# KiCad board ddr5-testboard.kicad_pcb (continued)
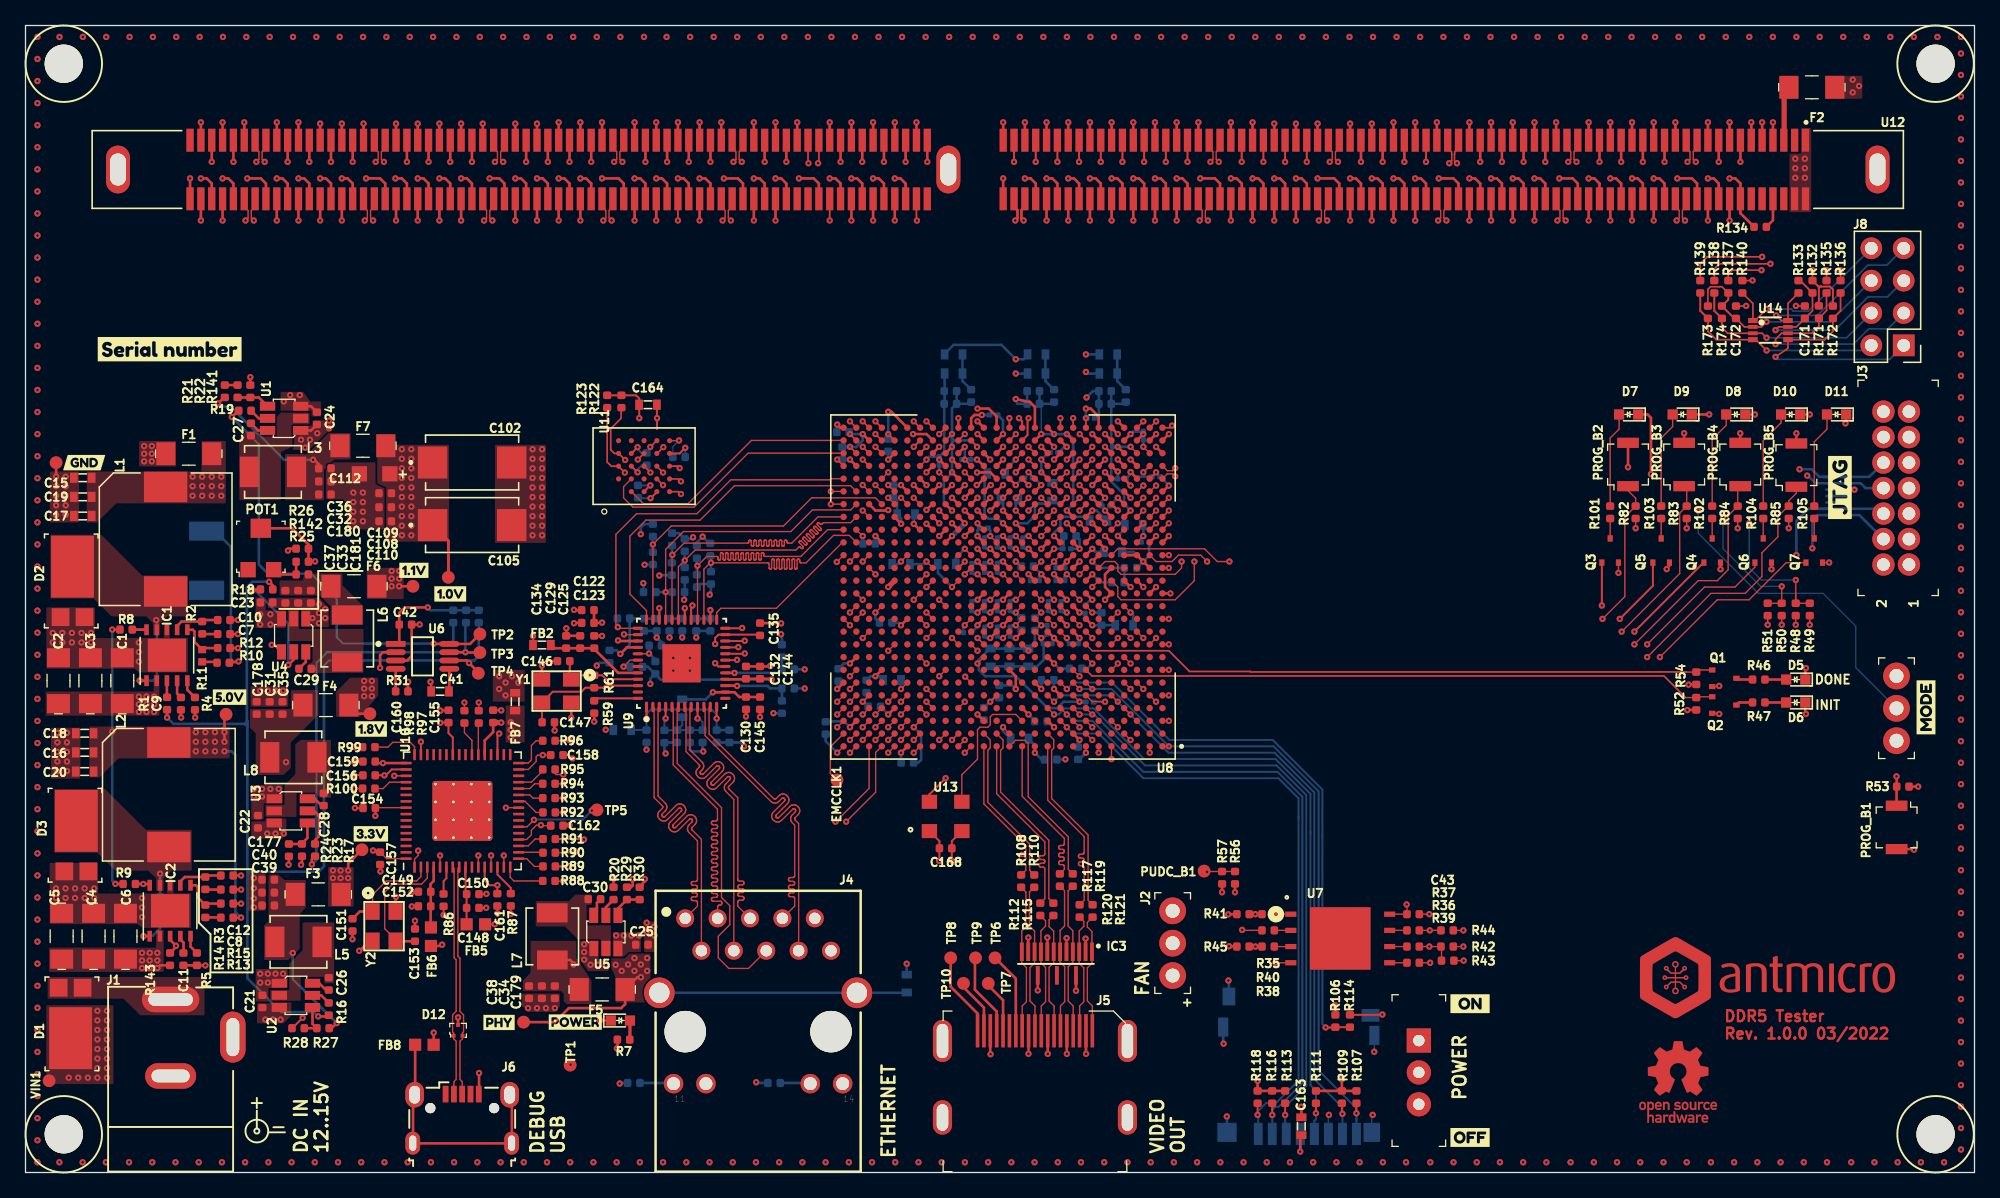
[diagram p0: board, top side]
## Routing (per net, layer and track width the routed paths; a pad name or vN(x,y) marks a point on that pad's centre or on a via; arc(x,y) is an arc through that point) (continued)
DQ17_B: length 73.2
  Top w0.2: U12.124 v3(29.9,79.3) ; U8.AD19 v3(71.64,56.94)
  In5.Cu w0.127: v3(29.9,79.3) 29.9,78.9 29.9,78.87 29.89,78.84 29.87,78.82 29.85,78.8 29.83,78.79 29.8,78.78 29.77,78.77 29.59,78.77 29.56,78.77 29.54,78.76 29.51,78.75 29.49,78.73 29.48,78.7 29.47,78.67 29.47,78.65 29.47,78.62 29.48,78.59 29.49,78.57 29.51,78.55 29.54,78.53 29.56,78.52 29.59,78.52 30.21,78.52 30.24,78.52 30.26,78.51 30.29,78.49 30.31,78.47 30.32,78.45 30.33,78.42 30.33,78.39 30.33,78.36 30.32,78.34 30.31,78.31 30.29,78.29 30.26,78.28 30.24,78.27 30.21,78.27 29.59,78.27 29.56,78.26 29.54,78.25 29.51,78.24 29.49,78.22 29.48,78.19 29.47,78.17 29.47,78.14 29.47,78.11 29.48,78.08 29.49,78.06 29.51,78.04 29.54,78.02 29.56,78.01 29.59,78.01 30.16,78.01 30.19,78.01 30.21,78 30.24,77.98 30.26,77.96 30.27,77.94 30.28,77.91 30.28,77.88 30.28,77.86 30.27,77.83 30.26,77.8 30.24,77.78 30.21,77.77 30.19,77.76 30.16,77.76 29.59,77.76 29.56,77.75 29.54,77.74 29.51,77.73 29.49,77.71 29.48,77.69 29.47,77.66 29.47,77.63 29.47,77.6 29.48,77.57 29.49,77.55 29.51,77.53 29.54,77.52 29.56,77.51 29.59,77.5 30.21,77.5 30.24,77.5 30.26,77.49 30.29,77.48 30.31,77.46 30.32,77.43 30.33,77.4 30.33,77.38 30.33,77.35 30.32,77.32 30.31,77.3 30.29,77.28 30.26,77.26 30.24,77.25 30.21,77.25 29.59,77.25 29.56,77.25 29.54,77.24 29.51,77.22 29.49,77.2 29.48,77.18 29.47,77.15 29.47,77.12 29.47,77.09 29.48,77.07 29.49,77.04 29.51,77.02 29.54,77.01 29.56,77 29.59,77 30.21,77 30.24,76.99 30.26,76.98 30.29,76.97 30.31,76.95 30.32,76.92 30.33,76.9 30.33,76.87 30.33,76.84 30.32,76.81 30.31,76.79 30.29,76.77 30.26,76.75 30.24,76.74 30.21,76.74 29.59,76.74 29.56,76.74 29.54,76.73 29.51,76.71 29.49,76.69 29.48,76.67 29.47,76.64 29.47,76.61 29.47,76.59 29.48,76.56 29.49,76.53 29.51,76.51 29.54,76.5 29.56,76.49 29.59,76.49 30.21,76.49 30.24,76.48 30.26,76.47 30.29,76.46 30.31,76.44 30.32,76.42 30.33,76.39 30.33,76.36 30.33,76.33 30.32,76.3 30.31,76.28 30.29,76.26 30.26,76.25 30.24,76.24 30.21,76.23 29.59,76.23 29.56,76.23 29.54,76.22 29.51,76.21 29.49,76.19 29.48,76.16 29.47,76.13 29.47,76.11 29.47,76.08 29.48,76.05 29.49,76.03 29.51,76.01 29.54,75.99 29.56,75.98 29.59,75.98 30.21,75.98 30.24,75.98 30.26,75.97 30.29,75.95 30.31,75.93 30.32,75.91 30.33,75.88 30.33,75.85 30.33,75.82 30.32,75.8 30.31,75.77 30.29,75.75 30.26,75.74 30.24,75.73 30.21,75.72 30.03,75.72 30,75.72 29.97,75.71 29.95,75.7 29.93,75.68 29.91,75.65 29.9,75.63 29.9,75.6 29.9,65.18 30.64,64.44 68.64,64.44 71.64,61.44 v3(71.64,56.94)
DQ18_A: length 66.6
  Top w0.2: U12.174 v1(114.9,74.7) ; U8.Y6 v1(83.64,52.94)
  In7.Cu w0.127: v1(83.64,52.94) U8.Y6 110.14,52.44 114.9,57.2 114.9,68.57 114.9,68.59 114.91,68.62 114.93,68.65 114.95,68.67 114.97,68.68 115,68.69 115.03,68.69 115.16,68.69 115.19,68.7 115.22,68.71 115.24,68.72 115.26,68.74 115.28,68.76 115.29,68.79 115.29,68.82 115.29,68.85 115.28,68.88 115.26,68.9 115.24,68.92 115.22,68.93 115.19,68.94 115.16,68.95 114.64,68.95 114.61,68.95 114.58,68.96 114.56,68.97 114.54,68.99 114.52,69.02 114.51,69.05 114.51,69.07 114.51,69.1 114.52,69.13 114.54,69.15 114.56,69.17 114.58,69.19 114.61,69.2 114.64,69.2 115.16,69.2 115.19,69.2 115.22,69.21 115.24,69.23 115.26,69.25 115.28,69.27 115.29,69.3 115.29,69.33 115.29,69.36 115.28,69.38 115.26,69.41 115.24,69.43 115.22,69.44 115.19,69.45 115.16,69.45 114.64,69.45 114.61,69.46 114.58,69.47 114.56,69.48 114.54,69.5 114.52,69.53 114.51,69.55 114.51,69.58 114.51,69.61 114.52,69.64 114.54,69.66 114.56,69.68 114.58,69.7 114.61,69.71 114.64,69.71 115.16,69.71 115.19,69.71 115.22,69.72 115.24,69.74 115.26,69.76 115.28,69.78 115.29,69.81 115.29,69.84 115.29,69.86 115.28,69.89 115.26,69.92 115.24,69.94 115.22,69.95 115.19,69.96 115.16,69.96 114.64,69.96 114.61,69.97 114.58,69.98 114.56,69.99 114.54,70.01 114.52,70.03 114.51,70.06 114.51,70.09 114.51,70.12 114.52,70.15 114.54,70.17 114.56,70.19 114.58,70.2 114.61,70.21 114.64,70.22 115.16,70.22 115.19,70.22 115.22,70.23 115.24,70.24 115.26,70.26 115.28,70.29 115.29,70.32 115.29,70.34 115.29,70.37 115.28,70.4 115.26,70.42 115.24,70.44 115.22,70.46 115.19,70.47 115.16,70.47 114.64,70.47 114.61,70.47 114.58,70.48 114.56,70.5 114.54,70.52 114.52,70.54 114.51,70.57 114.51,70.6 114.51,70.63 114.52,70.65 114.54,70.68 114.56,70.7 114.58,70.71 114.61,70.72 114.64,70.72 115.16,70.72 115.19,70.73 115.22,70.74 115.24,70.75 115.26,70.77 115.28,70.8 115.29,70.82 115.29,70.85 115.29,70.88 115.28,70.91 115.26,70.93 115.24,70.95 115.22,70.97 115.19,70.98 115.16,70.98 114.64,70.98 114.61,70.98 114.58,70.99 114.56,71.01 114.54,71.03 114.52,71.05 114.51,71.08 114.51,71.11 114.51,71.13 114.52,71.16 114.54,71.19 114.56,71.21 114.58,71.22 114.61,71.23 114.64,71.23 115.16,71.23 115.19,71.24 115.22,71.25 115.24,71.26 115.26,71.28 115.28,71.3 115.29,71.33 115.29,71.36 115.29,71.39 115.28,71.42 115.26,71.44 115.24,71.46 115.22,71.47 115.19,71.48 115.16,71.49 114.64,71.49 114.61,71.49 114.58,71.5 114.56,71.51 114.54,71.53 114.52,71.56 114.51,71.59 114.51,71.61 114.51,71.64 114.52,71.67 114.54,71.69 114.56,71.71 114.58,71.73 114.61,71.74 114.64,71.74 115.16,71.74 115.19,71.74 115.22,71.75 115.24,71.77 115.26,71.79 115.28,71.81 115.29,71.84 115.29,71.87 115.29,71.9 115.28,71.92 115.26,71.95 115.24,71.97 115.22,71.98 115.19,71.99 115.16,72 114.64,72 114.61,72 114.58,72.01 114.56,72.02 114.54,72.04 114.52,72.07 114.51,72.09 114.51,72.12 114.51,72.15 114.52,72.18 114.54,72.2 114.56,72.22 114.58,72.24 114.61,72.25 114.64,72.25 115.16,72.25 115.19,72.25 115.22,72.26 115.24,72.28 115.26,72.3 115.28,72.32 115.29,72.35 115.29,72.38 115.29,72.4 115.28,72.43 115.26,72.46 115.24,72.48 115.22,72.49 115.19,72.5 115.16,72.5 114.64,72.5 114.61,72.51 114.58,72.52 114.56,72.53 114.54,72.55 114.52,72.57 114.51,72.6 114.51,72.63 114.51,72.66 114.52,72.69 114.54,72.71 114.56,72.73 114.58,72.74 114.61,72.75 114.64,72.76 115.16,72.76 115.19,72.76 115.22,72.77 115.24,72.78 115.26,72.8 115.28,72.83 115.29,72.86 115.29,72.88 115.29,72.91 115.28,72.94 115.26,72.96 115.24,72.98 115.22,73 115.19,73.01 115.16,73.01 114.64,73.01 114.61,73.01 114.58,73.02 114.56,73.04 114.54,73.06 114.52,73.08 114.51,73.11 114.51,73.14 114.51,73.17 114.52,73.19 114.54,73.22 114.56,73.24 114.58,73.25 114.61,73.26 114.64,73.27 115.16,73.27 115.19,73.27 115.22,73.28 115.24,73.29 115.26,73.31 115.28,73.34 115.29,73.36 115.29,73.39 115.29,73.42 115.28,73.45 115.26,73.47 115.24,73.49 115.22,73.51 115.19,73.52 115.16,73.52 114.64,73.52 114.61,73.52 114.58,73.53 114.56,73.55 114.54,73.57 114.52,73.59 114.51,73.62 114.51,73.65 114.51,73.67 114.52,73.7 114.54,73.73 114.56,73.75 114.58,73.76 114.61,73.77 114.64,73.77 114.77,73.77 114.8,73.78 114.83,73.79 114.85,73.8 114.87,73.82 114.89,73.84 114.9,73.87 114.9,73.9 v1(114.9,74.7)
DQ18_B: length 73.2
  Top w0.2: U12.267 v3(30.75,74.7) ; U8.AC17 v3(72.64,55.94)
  In5.Cu w0.127: v3(30.75,74.7) 30.75,74.35 30.75,74.32 30.74,74.29 30.72,74.27 30.7,74.25 30.68,74.24 30.65,74.23 30.62,74.22 30.48,74.22 30.46,74.22 30.43,74.21 30.4,74.2 30.38,74.18 30.37,74.15 30.36,74.12 30.36,74.1 30.36,74.07 30.37,74.04 30.38,74.02 30.4,74 30.43,73.98 30.46,73.97 30.48,73.97 31.02,73.97 31.04,73.97 31.07,73.96 31.1,73.94 31.12,73.92 31.13,73.9 31.14,73.87 31.14,73.84 31.14,73.81 31.13,73.79 31.12,73.76 31.1,73.74 31.07,73.73 31.04,73.72 31.02,73.72 30.48,73.72 30.46,73.71 30.43,73.7 30.4,73.69 30.38,73.67 30.37,73.64 30.36,73.62 30.36,73.59 30.36,73.56 30.37,73.53 30.38,73.51 30.4,73.49 30.43,73.47 30.46,73.46 30.48,73.46 31.02,73.46 31.04,73.46 31.07,73.45 31.1,73.43 31.12,73.41 31.13,73.39 31.14,73.36 31.14,73.33 31.14,73.31 31.13,73.28 31.12,73.25 31.1,73.23 31.07,73.22 31.04,73.21 31.02,73.21 30.48,73.21 30.46,73.2 30.43,73.19 30.4,73.18 30.38,73.16 30.37,73.14 30.36,73.11 30.36,73.08 30.36,73.05 30.37,73.02 30.38,73 30.4,72.98 30.43,72.97 30.46,72.96 30.48,72.95 31.02,72.95 31.04,72.95 31.07,72.94 31.1,72.93 31.12,72.91 31.13,72.88 31.14,72.85 31.14,72.83 31.14,72.8 31.13,72.77 31.12,72.75 31.1,72.73 31.07,72.71 31.04,72.7 31.02,72.7 30.48,72.7 30.46,72.7 30.43,72.69 30.4,72.67 30.38,72.65 30.37,72.63 30.36,72.6 30.36,72.57 30.36,72.54 30.37,72.52 30.38,72.49 30.4,72.47 30.43,72.46 30.46,72.45 30.48,72.44 31.02,72.44 31.04,72.44 31.07,72.43 31.1,72.42 31.12,72.4 31.13,72.37 31.14,72.35 31.14,72.32 31.14,72.29 31.13,72.26 31.12,72.24 31.1,72.22 31.07,72.2 31.04,72.19 31.02,72.19 30.48,72.19 30.46,72.19 30.43,72.18 30.4,72.16 30.38,72.14 30.37,72.12 30.36,72.09 30.36,72.06 30.36,72.04 30.37,72.01 30.38,71.98 30.4,71.96 30.43,71.95 30.46,71.94 30.48,71.94 31.02,71.94 31.04,71.93 31.07,71.92 31.1,71.91 31.12,71.89 31.13,71.87 31.14,71.84 31.14,71.81 31.14,71.78 31.13,71.75 31.12,71.73 31.1,71.71 31.07,71.7 31.04,71.69 31.02,71.68 30.48,71.68 30.46,71.68 30.43,71.67 30.4,71.66 30.38,71.64 30.37,71.61 30.36,71.58 30.36,71.56 30.36,71.53 30.37,71.5 30.38,71.48 30.4,71.46 30.43,71.44 30.46,71.43 30.48,71.43 31.02,71.43 31.04,71.43 31.07,71.42 31.1,71.4 31.12,71.38 31.13,71.36 31.14,71.33 31.14,71.3 31.14,71.27 31.13,71.25 31.12,71.22 31.1,71.2 31.07,71.19 31.04,71.18 31.02,71.17 30.48,71.17 30.46,71.17 30.43,71.16 30.4,71.15 30.38,71.13 30.37,71.1 30.36,71.08 30.36,71.05 30.36,71.02 30.37,70.99 30.38,70.97 30.4,70.95 30.43,70.93 30.46,70.92 30.48,70.92 31.02,70.92 31.04,70.92 31.07,70.91 31.1,70.89 31.12,70.87 31.13,70.85 31.14,70.82 31.14,70.79 31.14,70.77 31.13,70.74 31.12,70.71 31.1,70.69 31.07,70.68 31.04,70.67 31.02,70.67 30.48,70.67 30.46,70.66 30.43,70.65 30.4,70.64 30.38,70.62 30.37,70.6 30.36,70.57 30.36,70.54 30.36,70.51 30.37,70.48 30.38,70.46 30.4,70.44 30.43,70.43 30.46,70.42 30.48,70.41 31.02,70.41 31.04,70.41 31.07,70.4 31.1,70.39 31.12,70.37 31.13,70.34 31.14,70.31 31.14,70.29 31.14,70.26 31.13,70.23 31.12,70.21 31.1,70.19 31.07,70.17 31.04,70.16 31.02,70.16 30.48,70.16 30.46,70.16 30.43,70.15 30.4,70.13 30.38,70.11 30.37,70.09 30.36,70.06 30.36,70.03 30.36,70 30.37,69.98 30.38,69.95 30.4,69.93 30.43,69.92 30.46,69.91 30.48,69.91 31.02,69.91 31.04,69.9 31.07,69.89 31.1,69.88 31.12,69.86 31.13,69.83 31.14,69.81 31.14,69.78 31.14,69.75 31.13,69.72 31.12,69.7 31.1,69.68 31.07,69.66 31.04,69.65 31.02,69.65 30.48,69.65 30.46,69.65 30.43,69.64 30.4,69.62 30.38,69.6 30.37,69.58 30.36,69.55 30.36,69.52 30.36,69.5 30.37,69.47 30.38,69.44 30.4,69.42 30.43,69.41 30.46,69.4 30.48,69.4 30.62,69.4 30.65,69.39 30.68,69.38 30.7,69.37 30.72,69.35 30.74,69.33 30.75,69.3 30.75,69.27 30.75,65.58 31.39,64.94 68.89,64.94 72.14,61.69 72.14,56.44 v3(72.64,55.94)
DQ19_A: length 66.6
  Top w0.2: U12.176 v1(113.2,74.7) ; v1(86.64,53.9) U8.AB4
  In7.Cu w0.127: v1(113.2,74.7) 113.2,73.7 113.2,73.67 113.19,73.64 113.17,73.62 113.15,73.6 113.13,73.59 113.1,73.58 113.07,73.57 112.93,73.57 112.9,73.57 112.87,73.56 112.85,73.55 112.83,73.53 112.81,73.5 112.8,73.47 112.8,73.45 112.8,73.42 112.81,73.39 112.83,73.37 112.85,73.35 112.87,73.33 112.9,73.32 112.93,73.32 113.47,73.32 113.5,73.32 113.53,73.31 113.55,73.29 113.57,73.27 113.59,73.25 113.6,73.22 113.6,73.19 113.6,73.16 113.59,73.14 113.57,73.11 113.55,73.09 113.53,73.08 113.5,73.07 113.47,73.06 112.93,73.06 112.9,73.06 112.87,73.05 112.85,73.04 112.83,73.02 112.81,72.99 112.8,72.97 112.8,72.94 112.8,72.91 112.81,72.88 112.83,72.86 112.85,72.84 112.87,72.82 112.9,72.81 112.93,72.81 113.47,72.81 113.5,72.81 113.53,72.8 113.55,72.78 113.57,72.76 113.59,72.74 113.6,72.71 113.6,72.68 113.6,72.66 113.59,72.63 113.57,72.6 113.55,72.58 113.53,72.57 113.5,72.56 113.47,72.56 112.93,72.56 112.9,72.55 112.87,72.54 112.85,72.53 112.83,72.51 112.81,72.49 112.8,72.46 112.8,72.43 112.8,72.4 112.81,72.37 112.83,72.35 112.85,72.33 112.87,72.32 112.9,72.31 112.93,72.3 113.47,72.3 113.5,72.3 113.53,72.29 113.55,72.28 113.57,72.26 113.59,72.23 113.6,72.2 113.6,72.18 113.6,72.15 113.59,72.12 113.57,72.1 113.55,72.08 113.53,72.06 113.5,72.05 113.47,72.05 112.93,72.05 112.9,72.05 112.87,72.04 112.85,72.02 112.83,72 112.81,71.98 112.8,71.95 112.8,71.92 112.8,71.89 112.81,71.87 112.83,71.84 112.85,71.82 112.87,71.81 112.9,71.8 112.93,71.8 113.47,71.8 113.5,71.79 113.53,71.78 113.55,71.77 113.57,71.75 113.59,71.72 113.6,71.7 113.6,71.67 113.6,71.64 113.59,71.61 113.57,71.59 113.55,71.57 113.53,71.55 113.5,71.54 113.47,71.54 112.93,71.54 112.9,71.54 112.87,71.53 112.85,71.51 112.83,71.49 112.81,71.47 112.8,71.44 112.8,71.41 112.8,71.39 112.81,71.36 112.83,71.33 112.85,71.31 112.87,71.3 112.9,71.29 112.93,71.29 113.47,71.29 113.5,71.28 113.53,71.27 113.55,71.26 113.57,71.24 113.59,71.22 113.6,71.19 113.6,71.16 113.6,71.13 113.59,71.1 113.57,71.08 113.55,71.06 113.53,71.05 113.5,71.04 113.47,71.03 112.93,71.03 112.9,71.03 112.87,71.02 112.85,71.01 112.83,70.99 112.81,70.96 112.8,70.93 112.8,70.91 112.8,70.88 112.81,70.85 112.83,70.83 112.85,70.81 112.87,70.79 112.9,70.78 112.93,70.78 113.47,70.78 113.5,70.78 113.53,70.77 113.55,70.75 113.57,70.73 113.59,70.71 113.6,70.68 113.6,70.65 113.6,70.62 113.59,70.6 113.57,70.57 113.55,70.55 113.53,70.54 113.5,70.53 113.47,70.53 112.93,70.53 112.9,70.52 112.87,70.51 112.85,70.5 112.83,70.48 112.81,70.45 112.8,70.43 112.8,70.4 112.8,70.37 112.81,70.34 112.83,70.32 112.85,70.3 112.87,70.28 112.9,70.27 112.93,70.27 113.47,70.27 113.5,70.27 113.53,70.26 113.55,70.24 113.57,70.22 113.59,70.2 113.6,70.17 113.6,70.14 113.6,70.12 113.59,70.09 113.57,70.06 113.55,70.04 113.53,70.03 113.5,70.02 113.47,70.02 112.93,70.02 112.9,70.01 112.87,70 112.85,69.99 112.83,69.97 112.81,69.95 112.8,69.92 112.8,69.89 112.8,69.86 112.81,69.83 112.83,69.81 112.85,69.79 112.87,69.78 112.9,69.77 112.93,69.76 113.47,69.76 113.5,69.76 113.53,69.75 113.55,69.74 113.57,69.72 113.59,69.69 113.6,69.66 113.6,69.64 113.6,69.61 113.59,69.58 113.57,69.56 113.55,69.54 113.53,69.52 113.5,69.51 113.47,69.51 112.93,69.51 112.9,69.51 112.87,69.5 112.85,69.48 112.83,69.46 112.81,69.44 112.8,69.41 112.8,69.38 112.8,69.35 112.81,69.33 112.83,69.3 112.85,69.28 112.87,69.27 112.9,69.26 112.93,69.25 113.47,69.25 113.5,69.25 113.53,69.24 113.55,69.23 113.57,69.21 113.59,69.18 113.6,69.16 113.6,69.13 113.6,69.1 113.59,69.07 113.57,69.05 113.55,69.03 113.53,69.01 113.5,69 113.47,69 112.93,69 112.9,69 112.87,68.99 112.85,68.97 112.83,68.95 112.81,68.93 112.8,68.9 112.8,68.87 112.8,68.85 112.81,68.82 112.83,68.79 112.85,68.77 112.87,68.76 112.9,68.75 112.93,68.75 113.47,68.75 113.5,68.74 113.53,68.73 113.55,68.72 113.57,68.7 113.59,68.68 113.6,68.65 113.6,68.62 113.6,68.59 113.59,68.56 113.57,68.54 113.55,68.52 113.53,68.51 113.5,68.5 113.47,68.49 112.93,68.49 112.9,68.49 112.87,68.48 112.85,68.47 112.83,68.45 112.81,68.42 112.8,68.39 112.8,68.37 112.8,68.34 112.81,68.31 112.83,68.29 112.85,68.27 112.87,68.25 112.9,68.24 112.93,68.24 113.47,68.24 113.5,68.24 113.53,68.23 113.55,68.21 113.57,68.19 113.59,68.17 113.6,68.14 113.6,68.11 113.6,68.08 113.59,68.06 113.57,68.03 113.55,68.01 113.53,68 113.5,67.99 113.47,67.98 112.93,67.98 112.9,67.98 112.87,67.97 112.85,67.96 112.83,67.94 112.81,67.91 112.8,67.89 112.8,67.86 112.8,67.83 112.81,67.8 112.83,67.78 112.85,67.76 112.87,67.74 112.9,67.73 112.93,67.73 113.47,67.73 113.5,67.73 113.53,67.72 113.55,67.7 113.57,67.68 113.59,67.66 113.6,67.63 113.6,67.6 113.6,67.58 113.59,67.55 113.57,67.52 113.55,67.5 113.53,67.49 113.5,67.48 113.47,67.48 112.93,67.48 112.9,67.47 112.87,67.46 112.85,67.45 112.83,67.43 112.81,67.41 112.8,67.38 112.8,67.35 112.8,67.32 112.81,67.29 112.83,67.27 112.85,67.25 112.87,67.24 112.9,67.23 112.93,67.22 113.47,67.22 113.5,67.22 113.53,67.21 113.55,67.2 113.57,67.18 113.59,67.15 113.6,67.12 113.6,67.1 113.6,67.07 113.59,67.04 113.57,67.02 113.55,67 113.53,66.98 113.5,66.97 113.47,66.97 112.93,66.97 112.9,66.97 112.87,66.96 112.85,66.94 112.83,66.92 112.81,66.9 112.8,66.87 112.8,66.84 112.8,66.81 112.81,66.79 112.83,66.76 112.85,66.74 112.87,66.73 112.9,66.72 112.93,66.72 113.07,66.72 113.1,66.71 113.13,66.7 113.15,66.69 113.17,66.67 113.19,66.64 113.2,66.62 113.2,66.59 113.2,57.5 109.14,53.44 87.1,53.44 v1(86.64,53.9)
DQ19_B: length 73.2
  Top w0.2: U12.269 v3(29.05,74.7) ; U8.AC18 v3(71.64,55.94)
  In5.Cu w0.127: v3(71.64,55.94) 71.14,56.44 71.14,61.19 68.39,63.94 29.89,63.94 29.05,64.78 29.05,69.12 29.05,69.15 29.06,69.18 29.08,69.2 29.1,69.22 29.12,69.24 29.15,69.25 29.18,69.25 29.31,69.25 29.34,69.25 29.37,69.26 29.39,69.28 29.41,69.3 29.42,69.32 29.43,69.35 29.44,69.38 29.43,69.41 29.42,69.43 29.41,69.46 29.39,69.48 29.37,69.49 29.34,69.5 29.31,69.5 28.79,69.5 28.76,69.51 28.73,69.52 28.71,69.53 28.69,69.55 28.68,69.58 28.67,69.6 28.66,69.63 28.67,69.66 28.68,69.69 28.69,69.71 28.71,69.73 28.73,69.75 28.76,69.76 28.79,69.76 29.31,69.76 29.34,69.76 29.37,69.77 29.39,69.79 29.41,69.81 29.42,69.83 29.43,69.86 29.44,69.89 29.43,69.91 29.42,69.94 29.41,69.97 29.39,69.99 29.37,70 29.34,70.01 29.31,70.01 28.79,70.01 28.76,70.02 28.73,70.03 28.71,70.04 28.69,70.06 28.68,70.08 28.67,70.11 28.66,70.14 28.67,70.17 28.68,70.2 28.69,70.22 28.71,70.24 28.73,70.25 28.76,70.26 28.79,70.27 29.31,70.27 29.34,70.27 29.37,70.28 29.39,70.29 29.41,70.31 29.42,70.34 29.43,70.37 29.44,70.39 29.43,70.42 29.42,70.45 29.41,70.47 29.39,70.49 29.37,70.51 29.34,70.52 29.31,70.52 28.79,70.52 28.76,70.52 28.73,70.53 28.71,70.55 28.69,70.57 28.68,70.59 28.67,70.62 28.66,70.65 28.67,70.68 28.68,70.7 28.69,70.73 28.71,70.75 28.73,70.76 28.76,70.77 28.79,70.78 29.31,70.78 29.34,70.78 29.37,70.79 29.39,70.8 29.41,70.82 29.42,70.85 29.43,70.87 29.44,70.9 29.43,70.93 29.42,70.96 29.41,70.98 29.39,71 29.37,71.02 29.34,71.03 29.31,71.03 28.79,71.03 28.76,71.03 28.73,71.04 28.71,71.06 28.69,71.08 28.68,71.1 28.67,71.13 28.66,71.16 28.67,71.18 28.68,71.21 28.69,71.24 28.71,71.26 28.73,71.27 28.76,71.28 28.79,71.28 29.31,71.28 29.34,71.29 29.37,71.3 29.39,71.31 29.41,71.33 29.42,71.35 29.43,71.38 29.44,71.41 29.43,71.44 29.42,71.47 29.41,71.49 29.39,71.51 29.37,71.52 29.34,71.53 29.31,71.54 28.79,71.54 28.76,71.54 28.73,71.55 28.71,71.56 28.69,71.58 28.68,71.61 28.67,71.64 28.66,71.66 28.67,71.69 28.68,71.72 28.69,71.74 28.71,71.76 28.73,71.78 28.76,71.79 28.79,71.79 29.31,71.79 29.34,71.79 29.37,71.8 29.39,71.82 29.41,71.84 29.42,71.86 29.43,71.89 29.44,71.92 29.43,71.95 29.42,71.97 29.41,72 29.39,72.02 29.37,72.03 29.34,72.04 29.31,72.05 28.79,72.05 28.76,72.05 28.73,72.06 28.71,72.07 28.69,72.09 28.68,72.12 28.67,72.14 28.66,72.17 28.67,72.2 28.68,72.23 28.69,72.25 28.71,72.27 28.73,72.29 28.76,72.3 28.79,72.3 29.31,72.3 29.34,72.3 29.37,72.31 29.39,72.33 29.41,72.35 29.42,72.37 29.43,72.4 29.44,72.43 29.43,72.45 29.42,72.48 29.41,72.51 29.39,72.53 29.37,72.54 29.34,72.55 29.31,72.55 28.79,72.55 28.76,72.56 28.73,72.57 28.71,72.58 28.69,72.6 28.68,72.62 28.67,72.65 28.66,72.68 28.67,72.71 28.68,72.74 28.69,72.76 28.71,72.78 28.73,72.79 28.76,72.8 28.79,72.81 29.31,72.81 29.34,72.81 29.37,72.82 29.39,72.83 29.41,72.85 29.42,72.88 29.43,72.91 29.44,72.93 29.43,72.96 29.42,72.99 29.41,73.01 29.39,73.03 29.37,73.05 29.34,73.06 29.31,73.06 28.79,73.06 28.76,73.06 28.73,73.07 28.71,73.09 28.69,73.11 28.68,73.13 28.67,73.16 28.66,73.19 28.67,73.22 28.68,73.24 28.69,73.27 28.71,73.29 28.73,73.3 28.76,73.31 28.79,73.31 29.31,73.31 29.34,73.32 29.37,73.33 29.39,73.34 29.41,73.36 29.42,73.39 29.43,73.41 29.44,73.44 29.43,73.47 29.42,73.5 29.41,73.52 29.39,73.54 29.37,73.56 29.34,73.57 29.31,73.57 28.79,73.57 28.76,73.57 28.73,73.58 28.71,73.6 28.69,73.62 28.68,73.64 28.67,73.67 28.66,73.7 28.67,73.72 28.68,73.75 28.69,73.78 28.71,73.8 28.73,73.81 28.76,73.82 28.79,73.82 28.92,73.82 28.95,73.83 28.98,73.84 29,73.85 29.02,73.87 29.04,73.89 29.05,73.92 29.05,73.95 v3(29.05,74.7)
DQ20_A: length 66.6
  Top w0.15: U12.36 v1(109.8,79.3)
  Top w0.2: U8.AB6 v1(83.64,53.94)
  In7.Cu w0.127: v1(83.64,53.94) U8.AB6 84.14,55.19 84.39,55.44 108.39,55.44 109.8,56.85 109.8,73.21 109.8,73.24 109.79,73.27 109.77,73.29 109.75,73.31 109.73,73.33 109.7,73.34 109.67,73.34 109.54,73.34 109.51,73.34 109.48,73.35 109.46,73.37 109.44,73.39 109.42,73.41 109.41,73.44 109.41,73.47 109.41,73.49 109.42,73.52 109.44,73.55 109.46,73.57 109.48,73.58 109.51,73.59 109.54,73.59 110.06,73.59 110.09,73.6 110.12,73.61 110.14,73.62 110.16,73.64 110.18,73.66 110.19,73.69 110.19,73.72 110.19,73.75 110.18,73.78 110.16,73.8 110.14,73.82 110.12,73.83 110.09,73.84 110.06,73.85 109.54,73.85 109.51,73.85 109.48,73.86 109.46,73.87 109.44,73.89 109.42,73.92 109.41,73.95 109.41,73.97 109.41,74 109.42,74.03 109.44,74.05 109.46,74.07 109.48,74.09 109.51,74.1 109.54,74.1 110.06,74.1 110.09,74.1 110.12,74.11 110.14,74.13 110.16,74.15 110.18,74.17 110.19,74.2 110.19,74.23 110.19,74.26 110.18,74.28 110.16,74.31 110.14,74.33 110.12,74.34 110.09,74.35 110.06,74.35 109.54,74.35 109.51,74.36 109.48,74.37 109.46,74.38 109.44,74.4 109.42,74.43 109.41,74.45 109.41,74.48 109.41,74.51 109.42,74.54 109.44,74.56 109.46,74.58 109.48,74.6 109.51,74.61 109.54,74.61 110.06,74.61 110.09,74.61 110.12,74.62 110.14,74.64 110.16,74.66 110.18,74.68 110.19,74.71 110.19,74.74 110.19,74.76 110.18,74.79 110.16,74.82 110.14,74.84 110.12,74.85 110.09,74.86 110.06,74.86 109.54,74.86 109.51,74.87 109.48,74.88 109.46,74.89 109.44,74.91 109.42,74.93 109.41,74.96 109.41,74.99 109.41,75.02 109.42,75.05 109.44,75.07 109.46,75.09 109.48,75.1 109.51,75.11 109.54,75.12 110.06,75.12 110.09,75.12 110.12,75.13 110.14,75.14 110.16,75.16 110.18,75.19 110.19,75.22 110.19,75.24 110.19,75.27 110.18,75.3 110.16,75.32 110.14,75.34 110.12,75.36 110.09,75.37 110.06,75.37 109.54,75.37 109.51,75.37 109.48,75.38 109.46,75.4 109.44,75.42 109.42,75.44 109.41,75.47 109.41,75.5 109.41,75.53 109.42,75.55 109.44,75.58 109.46,75.6 109.48,75.61 109.51,75.62 109.54,75.62 110.06,75.62 110.09,75.63 110.12,75.64 110.14,75.65 110.16,75.67 110.18,75.7 110.19,75.72 110.19,75.75 110.19,75.78 110.18,75.81 110.16,75.83 110.14,75.85 110.12,75.87 110.09,75.88 110.06,75.88 109.54,75.88 109.51,75.88 109.48,75.89 109.46,75.91 109.44,75.93 109.42,75.95 109.41,75.98 109.41,76.01 109.41,76.03 109.42,76.06 109.44,76.09 109.46,76.11 109.48,76.12 109.51,76.13 109.54,76.13 110.06,76.13 110.09,76.14 110.12,76.15 110.14,76.16 110.16,76.18 110.18,76.2 110.19,76.23 110.19,76.26 110.19,76.29 110.18,76.32 110.16,76.34 110.14,76.36 110.12,76.37 110.09,76.38 110.06,76.39 109.54,76.39 109.51,76.39 109.48,76.4 109.46,76.41 109.44,76.43 109.42,76.46 109.41,76.49 109.41,76.51 109.41,76.54 109.42,76.57 109.44,76.59 109.46,76.61 109.48,76.63 109.51,76.64 109.54,76.64 110.06,76.64 110.09,76.64 110.12,76.65 110.14,76.67 110.16,76.69 110.18,76.71 110.19,76.74 110.19,76.77 110.19,76.8 110.18,76.82 110.16,76.85 110.14,76.87 110.12,76.88 110.09,76.89 110.06,76.9 109.54,76.9 109.51,76.9 109.48,76.91 109.46,76.92 109.44,76.94 109.42,76.97 109.41,76.99 109.41,77.02 109.41,77.05 109.42,77.08 109.44,77.1 109.46,77.12 109.48,77.14 109.51,77.15 109.54,77.15 110.06,77.15 110.09,77.15 110.12,77.16 110.14,77.18 110.16,77.2 110.18,77.22 110.19,77.25 110.19,77.28 110.19,77.3 110.18,77.33 110.16,77.36 110.14,77.38 110.12,77.39 110.09,77.4 110.06,77.4 109.54,77.4 109.51,77.41 109.48,77.42 109.46,77.43 109.44,77.45 109.42,77.47 109.41,77.5 109.41,77.53 109.41,77.56 109.42,77.59 109.44,77.61 109.46,77.63 109.48,77.64 109.51,77.65 109.54,77.66 110.06,77.66 110.09,77.66 110.12,77.67 110.14,77.68 110.16,77.7 110.18,77.73 110.19,77.76 110.19,77.78 110.19,77.81 110.18,77.84 110.16,77.86 110.14,77.88 110.12,77.9 110.09,77.91 110.06,77.91 109.54,77.91 109.51,77.91 109.48,77.92 109.46,77.94 109.44,77.96 109.42,77.98 109.41,78.01 109.41,78.04 109.41,78.07 109.42,78.09 109.44,78.12 109.46,78.14 109.48,78.15 109.51,78.16 109.54,78.16 110.06,78.16 110.09,78.17 110.12,78.18 110.14,78.19 110.16,78.21 110.18,78.24 110.19,78.26 110.19,78.29 110.19,78.32 110.18,78.35 110.16,78.37 110.14,78.39 110.12,78.41 110.09,78.42 110.06,78.42 109.54,78.42 109.51,78.42 109.48,78.43 109.46,78.45 109.44,78.47 109.42,78.49 109.41,78.52 109.41,78.55 109.41,78.57 109.42,78.6 109.44,78.63 109.46,78.65 109.48,78.66 109.51,78.67 109.54,78.67 109.67,78.67 109.7,78.68 109.73,78.69 109.75,78.7 109.77,78.72 109.79,78.74 109.8,78.77 109.8,78.8 v1(109.8,79.3)
DQ20_B: length 73.2
  Top w0.2: U12.129 v3(25.65,79.3) ; U8.AB17 v3(72.64,54.94)
  In5.Cu w0.127: v3(72.64,54.94) 72.14,55.44 70.14,55.44 69.14,56.44 69.14,60.44 67.14,62.44 26.14,62.44 25.65,62.93 25.65,77.73 25.65,77.76 25.64,77.79 25.62,77.81 25.6,77.83 25.58,77.85 25.55,77.86 25.52,77.86 25.4,77.86 25.38,77.86 25.35,77.87 25.32,77.89 25.3,77.91 25.29,77.93 25.28,77.96 25.28,77.99 25.28,78.02 25.29,78.04 25.3,78.07 25.32,78.09 25.35,78.1 25.38,78.11 25.4,78.12 25.9,78.12 25.92,78.12 25.95,78.13 25.98,78.14 26,78.16 26.01,78.19 26.02,78.21 26.02,78.24 26.02,78.27 26.01,78.3 26,78.32 25.98,78.34 25.95,78.36 25.92,78.37 25.9,78.37 25.4,78.37 25.38,78.37 25.35,78.38 25.32,78.4 25.3,78.42 25.29,78.44 25.28,78.47 25.28,78.5 25.28,78.52 25.29,78.55 25.3,78.58 25.32,78.6 25.35,78.61 25.38,78.62 25.4,78.62 25.52,78.62 25.55,78.63 25.58,78.64 25.6,78.65 25.62,78.67 25.64,78.69 25.65,78.72 25.65,78.75 v3(25.65,79.3)
DQ21_A: length 66.6
  Top w0.2: U12.38 v1(108.1,79.3) ; v1(85.64,55.94) U8.AC4
  In7.Cu w0.127: v1(108.1,79.3) 108.1,78.8 108.1,78.77 108.09,78.74 108.07,78.72 108.05,78.7 108.03,78.69 108,78.68 107.97,78.67 107.84,78.67 107.81,78.67 107.78,78.66 107.76,78.65 107.74,78.63 107.72,78.6 107.71,78.57 107.71,78.55 107.71,78.52 107.72,78.49 107.74,78.47 107.76,78.45 107.78,78.43 107.81,78.42 107.84,78.42 108.36,78.42 108.39,78.42 108.42,78.41 108.44,78.39 108.46,78.37 108.48,78.35 108.49,78.32 108.49,78.29 108.49,78.26 108.48,78.24 108.46,78.21 108.44,78.19 108.42,78.18 108.39,78.17 108.36,78.16 107.84,78.16 107.81,78.16 107.78,78.15 107.76,78.14 107.74,78.12 107.72,78.09 107.71,78.07 107.71,78.04 107.71,78.01 107.72,77.98 107.74,77.96 107.76,77.94 107.78,77.92 107.81,77.91 107.84,77.91 108.36,77.91 108.39,77.91 108.42,77.9 108.44,77.88 108.46,77.86 108.48,77.84 108.49,77.81 108.49,77.78 108.49,77.76 108.48,77.73 108.46,77.7 108.44,77.68 108.42,77.67 108.39,77.66 108.36,77.66 107.84,77.66 107.81,77.65 107.78,77.64 107.76,77.63 107.74,77.61 107.72,77.59 107.71,77.56 107.71,77.53 107.71,77.5 107.72,77.47 107.74,77.45 107.76,77.43 107.78,77.42 107.81,77.41 107.84,77.4 108.36,77.4 108.39,77.4 108.42,77.39 108.44,77.38 108.46,77.36 108.48,77.33 108.49,77.3 108.49,77.28 108.49,77.25 108.48,77.22 108.46,77.2 108.44,77.18 108.42,77.16 108.39,77.15 108.36,77.15 107.84,77.15 107.81,77.15 107.78,77.14 107.76,77.12 107.74,77.1 107.72,77.08 107.71,77.05 107.71,77.02 107.71,76.99 107.72,76.97 107.74,76.94 107.76,76.92 107.78,76.91 107.81,76.9 107.84,76.9 108.36,76.9 108.39,76.89 108.42,76.88 108.44,76.87 108.46,76.85 108.48,76.82 108.49,76.8 108.49,76.77 108.49,76.74 108.48,76.71 108.46,76.69 108.44,76.67 108.42,76.65 108.39,76.64 108.36,76.64 107.84,76.64 107.81,76.64 107.78,76.63 107.76,76.61 107.74,76.59 107.72,76.57 107.71,76.54 107.71,76.51 107.71,76.49 107.72,76.46 107.74,76.43 107.76,76.41 107.78,76.4 107.81,76.39 107.84,76.39 108.36,76.39 108.39,76.38 108.42,76.37 108.44,76.36 108.46,76.34 108.48,76.32 108.49,76.29 108.49,76.26 108.49,76.23 108.48,76.2 108.46,76.18 108.44,76.16 108.42,76.15 108.39,76.14 108.36,76.13 107.84,76.13 107.81,76.13 107.78,76.12 107.76,76.11 107.74,76.09 107.72,76.06 107.71,76.03 107.71,76.01 107.71,75.98 107.72,75.95 107.74,75.93 107.76,75.91 107.78,75.89 107.81,75.88 107.84,75.88 108.36,75.88 108.39,75.88 108.42,75.87 108.44,75.85 108.46,75.83 108.48,75.81 108.49,75.78 108.49,75.75 108.49,75.72 108.48,75.7 108.46,75.67 108.44,75.65 108.42,75.64 108.39,75.63 108.36,75.62 107.84,75.62 107.81,75.62 107.78,75.61 107.76,75.6 107.74,75.58 107.72,75.55 107.71,75.53 107.71,75.5 107.71,75.47 107.72,75.44 107.74,75.42 107.76,75.4 107.78,75.38 107.81,75.37 107.84,75.37 108.36,75.37 108.39,75.37 108.42,75.36 108.44,75.34 108.46,75.32 108.48,75.3 108.49,75.27 108.49,75.24 108.49,75.22 108.48,75.19 108.46,75.16 108.44,75.14 108.42,75.13 108.39,75.12 108.36,75.12 107.84,75.12 107.81,75.11 107.78,75.1 107.76,75.09 107.74,75.07 107.72,75.05 107.71,75.02 107.71,74.99 107.71,74.96 107.72,74.93 107.74,74.91 107.76,74.89 107.78,74.88 107.81,74.87 107.84,74.86 108.36,74.86 108.39,74.86 108.42,74.85 108.44,74.84 108.46,74.82 108.48,74.79 108.49,74.76 108.49,74.74 108.49,74.71 108.48,74.68 108.46,74.66 108.44,74.64 108.42,74.62 108.39,74.61 108.36,74.61 107.84,74.61 107.81,74.61 107.78,74.6 107.76,74.58 107.74,74.56 107.72,74.54 107.71,74.51 107.71,74.48 107.71,74.45 107.72,74.43 107.74,74.4 107.76,74.38 107.78,74.37 107.81,74.36 107.84,74.35 108.36,74.35 108.39,74.35 108.42,74.34 108.44,74.33 108.46,74.31 108.48,74.28 108.49,74.26 108.49,74.23 108.49,74.2 108.48,74.17 108.46,74.15 108.44,74.13 108.42,74.11 108.39,74.1 108.36,74.1 107.84,74.1 107.81,74.1 107.78,74.09 107.76,74.07 107.74,74.05 107.72,74.03 107.71,74 107.71,73.97 107.71,73.95 107.72,73.92 107.74,73.89 107.76,73.87 107.78,73.86 107.81,73.85 107.84,73.85 108.36,73.85 108.39,73.84 108.42,73.83 108.44,73.82 108.46,73.8 108.48,73.78 108.49,73.75 108.49,73.72 108.49,73.69 108.48,73.66 108.46,73.64 108.44,73.62 108.42,73.61 108.39,73.6 108.36,73.59 107.84,73.59 107.81,73.59 107.78,73.58 107.76,73.57 107.74,73.55 107.72,73.52 107.71,73.49 107.71,73.47 107.71,73.44 107.72,73.41 107.74,73.39 107.76,73.37 107.78,73.35 107.81,73.34 107.84,73.34 108.36,73.34 108.39,73.34 108.42,73.33 108.44,73.31 108.46,73.29 108.48,73.27 108.49,73.24 108.49,73.21 108.49,73.18 108.48,73.16 108.46,73.13 108.44,73.11 108.42,73.1 108.39,73.09 108.36,73.09 107.84,73.09 107.81,73.08 107.78,73.07 107.76,73.06 107.74,73.04 107.72,73.01 107.71,72.99 107.71,72.96 107.71,72.93 107.72,72.9 107.74,72.88 107.76,72.86 107.78,72.84 107.81,72.83 107.84,72.83 108.36,72.83 108.39,72.83 108.42,72.82 108.44,72.8 108.46,72.78 108.48,72.76 108.49,72.73 108.49,72.7 108.49,72.68 108.48,72.65 108.46,72.62 108.44,72.6 108.42,72.59 108.39,72.58 108.36,72.58 107.84,72.58 107.81,72.57 107.78,72.56 107.76,72.55 107.74,72.53 107.72,72.51 107.71,72.48 107.71,72.45 107.71,72.42 107.72,72.39 107.74,72.37 107.76,72.35 107.78,72.34 107.81,72.33 107.84,72.32 108.36,72.32 108.39,72.32 108.42,72.31 108.44,72.3 108.46,72.28 108.48,72.25 108.49,72.22 108.49,72.2 108.49,72.17 108.48,72.14 108.46,72.12 108.44,72.1 108.42,72.08 108.39,72.07 108.36,72.07 107.84,72.07 107.81,72.07 107.78,72.06 107.76,72.04 107.74,72.02 107.72,72 107.71,71.97 107.71,71.94 107.71,71.91 107.72,71.89 107.74,71.86 107.76,71.84 107.78,71.83 107.81,71.82 107.84,71.81 108.36,71.81 108.39,71.81 108.42,71.8 108.44,71.79 108.46,71.77 108.48,71.74 108.49,71.72 108.49,71.69 108.49,71.66 108.48,71.63 108.46,71.61 108.44,71.59 108.42,71.57 108.39,71.56 108.36,71.56 107.84,71.56 107.81,71.56 107.78,71.55 107.76,71.53 107.74,71.51 107.72,71.49 107.71,71.46 107.71,71.43 107.71,71.41 107.72,71.38 107.74,71.35 107.76,71.33 107.78,71.32 107.81,71.31 107.84,71.31 107.97,71.31 108,71.3 108.03,71.29 108.05,71.28 108.07,71.26 108.09,71.24 108.1,71.21 108.1,71.18 108.1,57.65 106.89,56.44 86.14,56.44 v1(85.64,55.94)